# Altium PCB AlpLogo.PcbDoc
Units mm, origin at the board's own origin, x right, y up, seen from the top; angles counter-clockwise.
Board outline 128.88 x 146 mm, 2 copper layers (Top Layer, Bottom Layer), stack 1.571 mm thick; 65 components, 36 nets, 198 pads, 66 vias.
Unrouted connection lines stored in the file: 5.
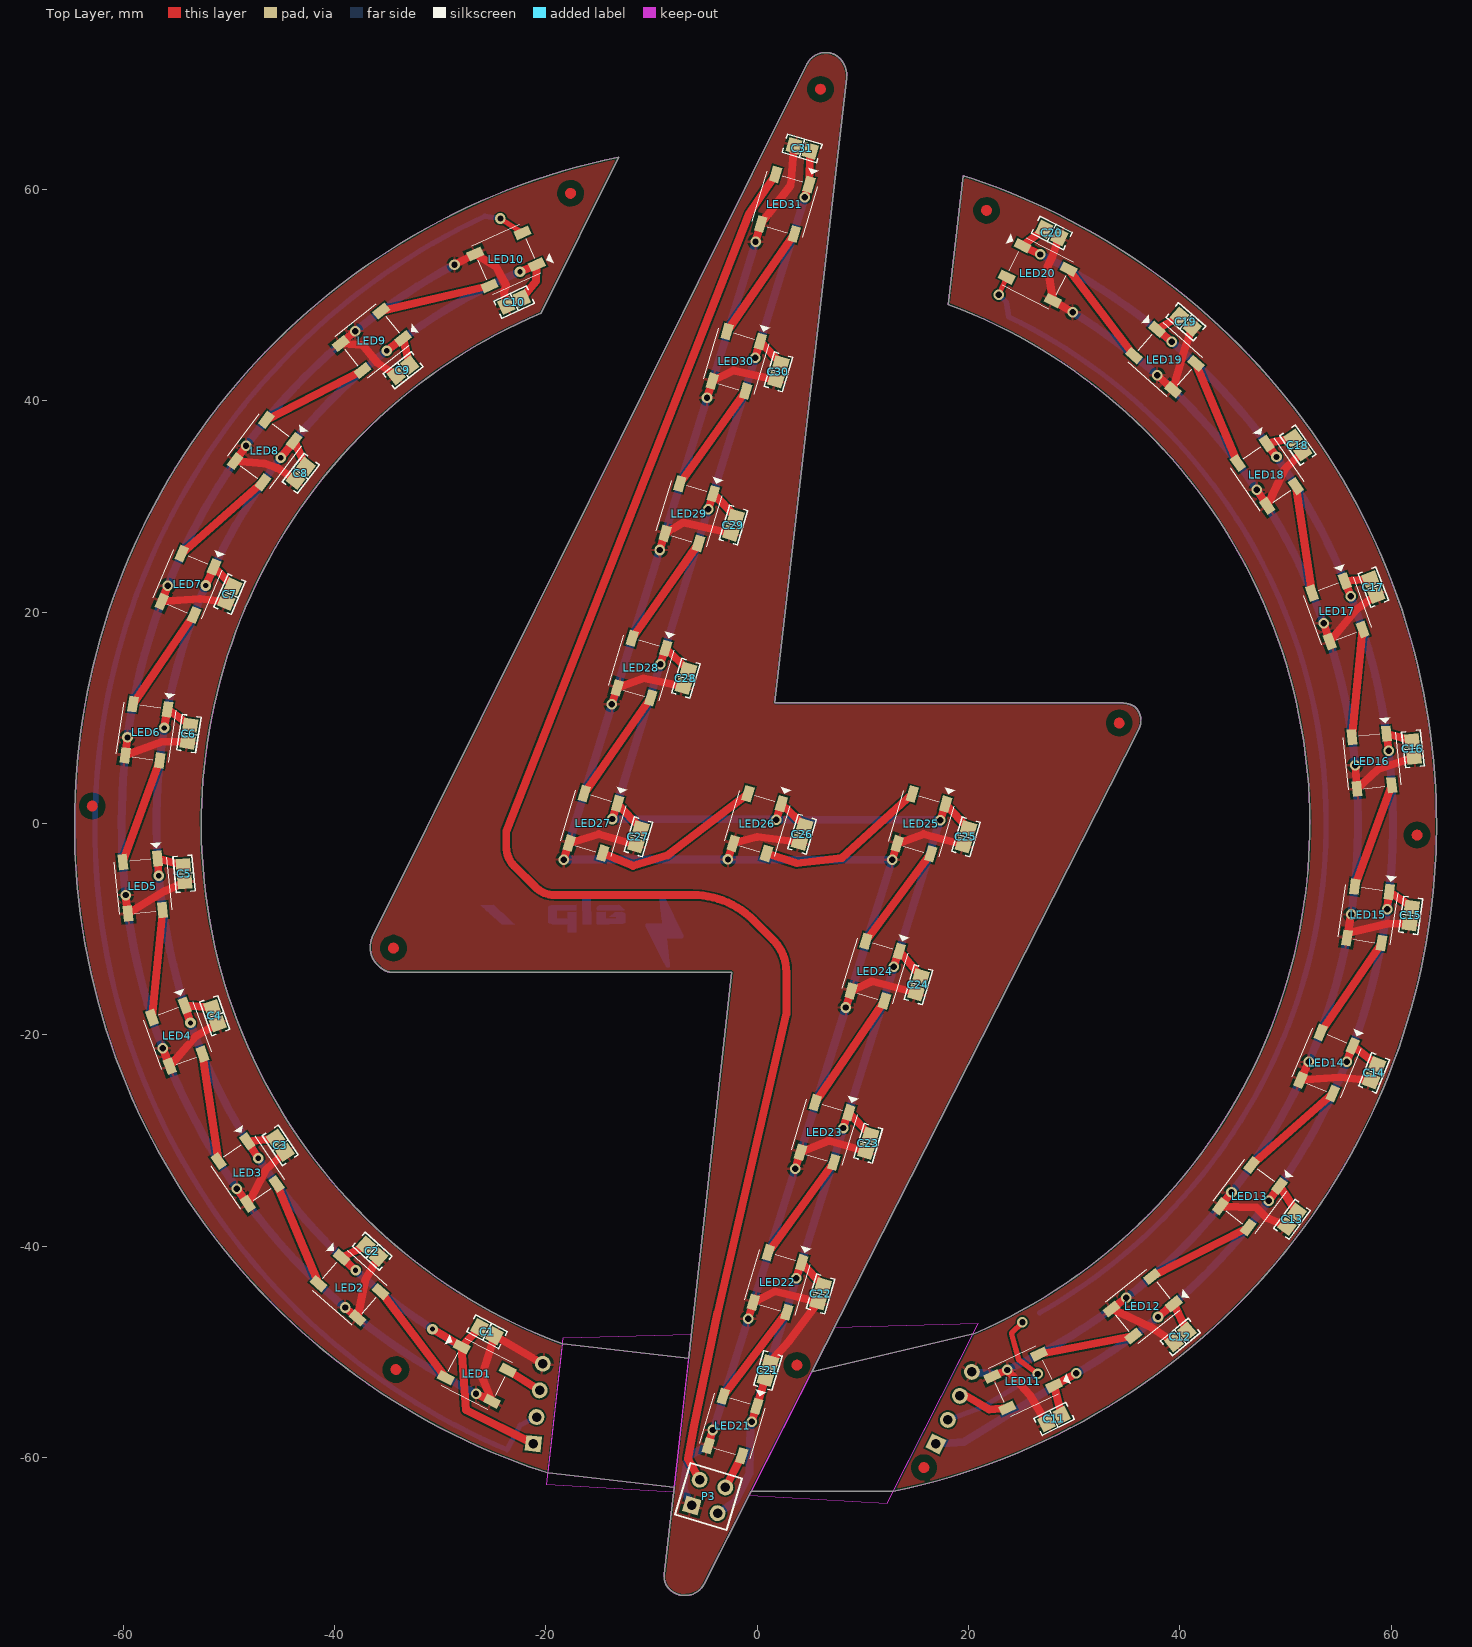
[diagram p0: Top Layer view]
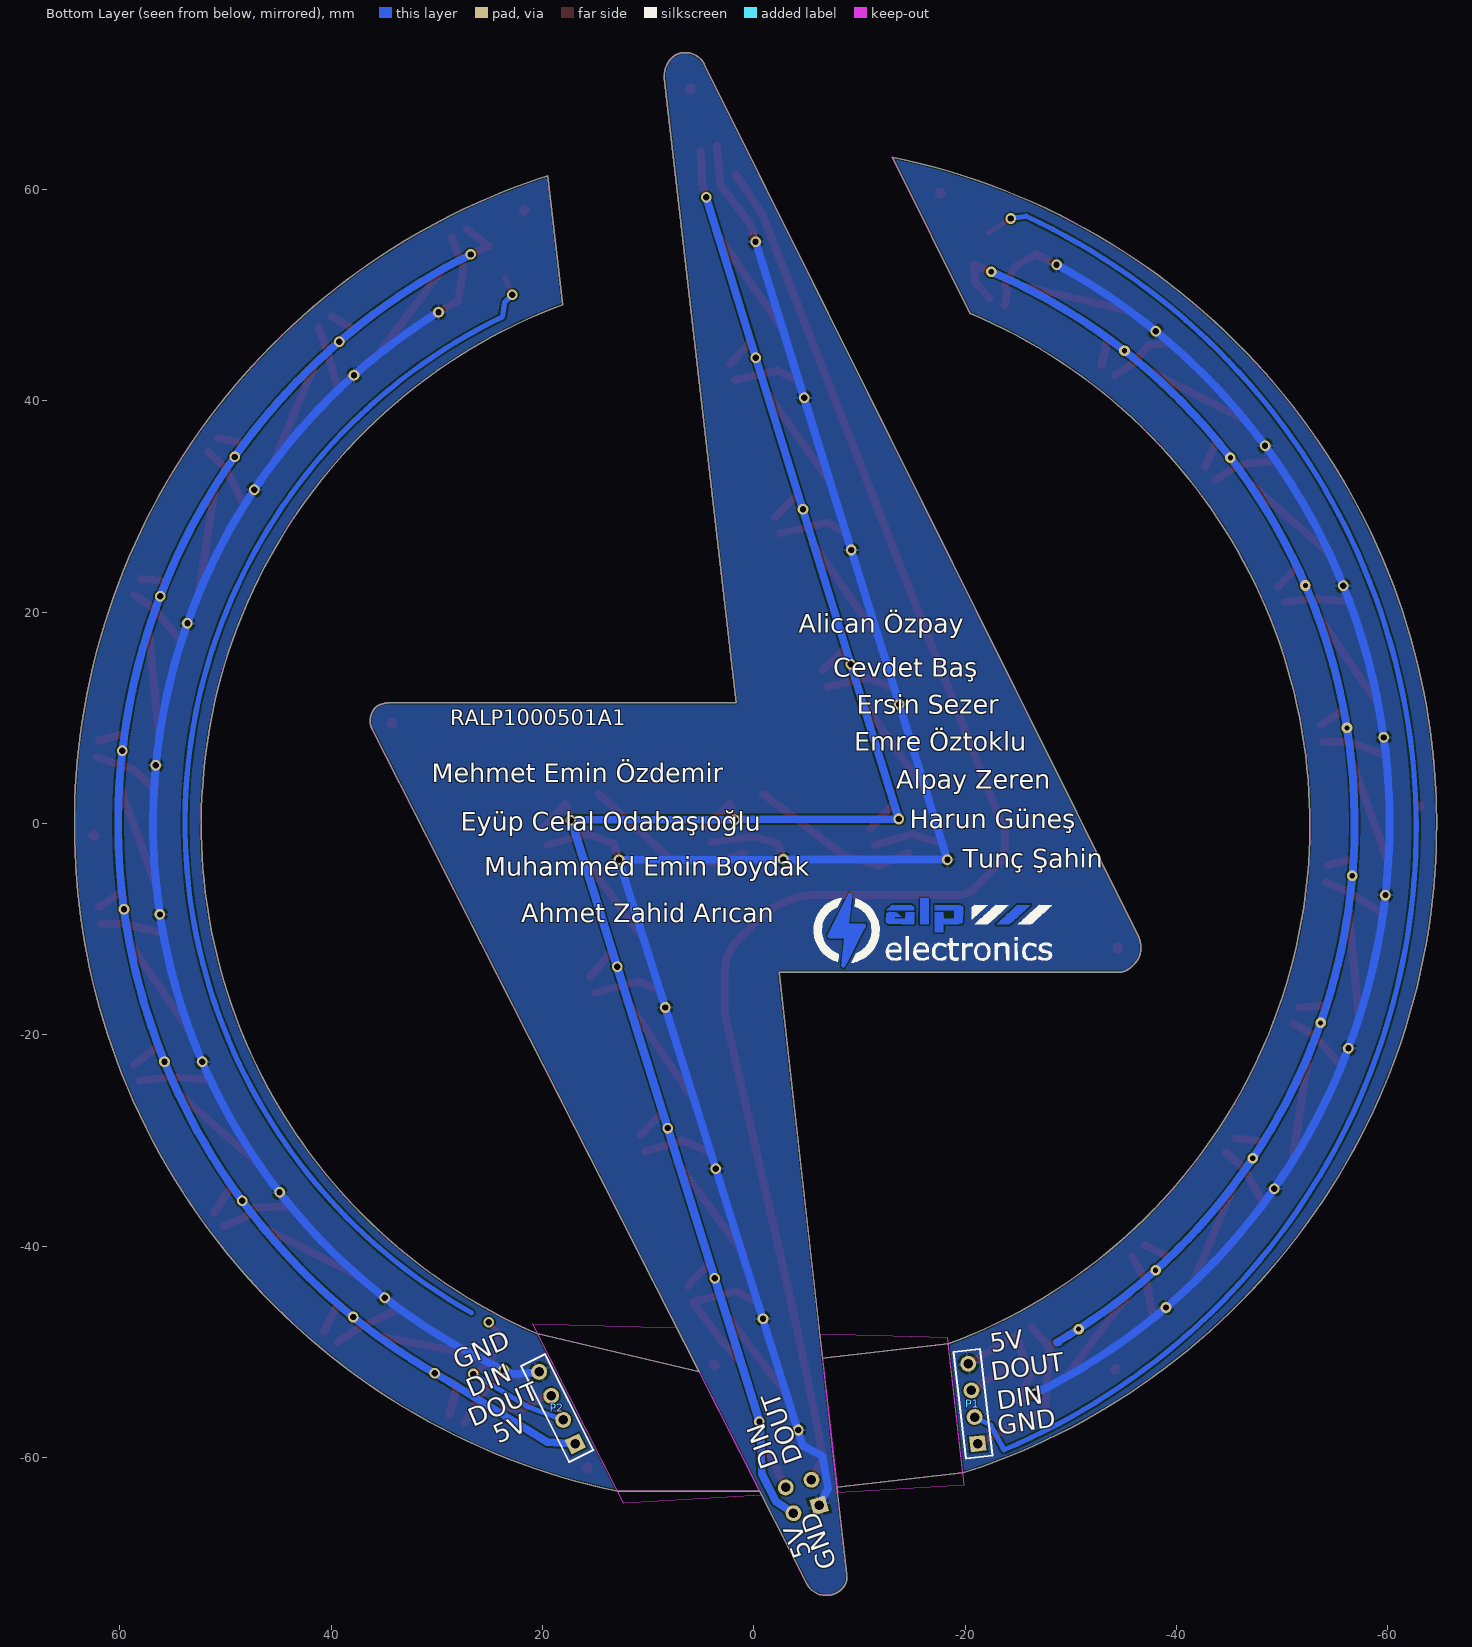
[diagram p1: Bottom Layer view, seen from below]
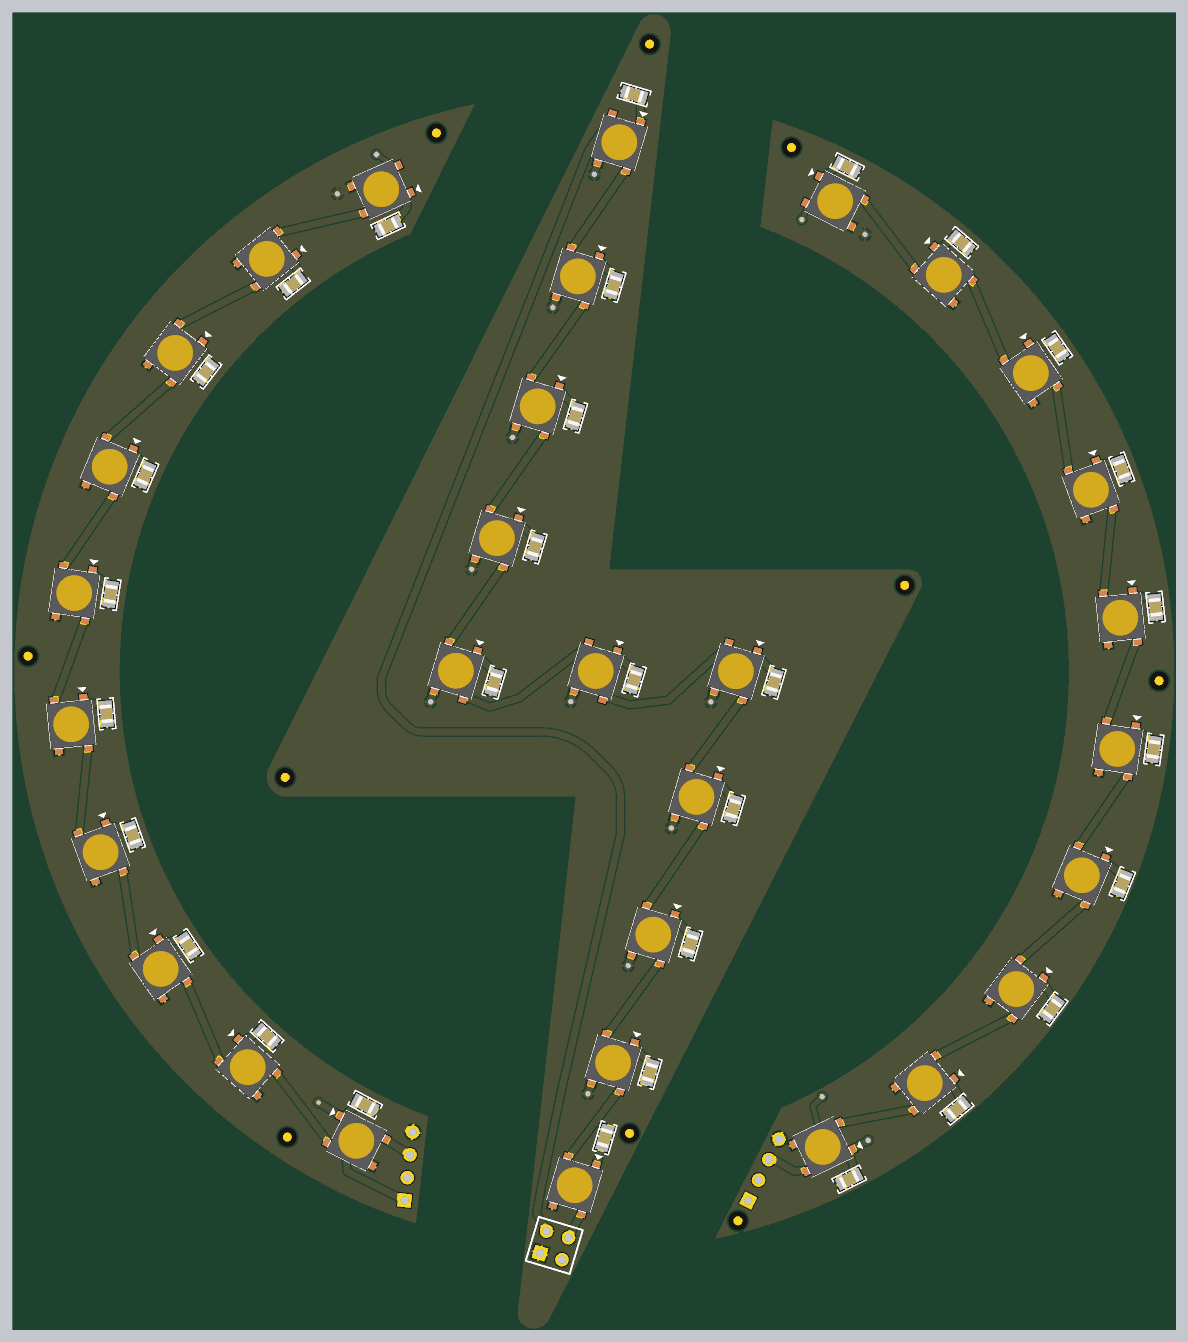
[diagram p2: 3D render of the assembled board from above, using the file's embedded part models]

## Layer stack, top to bottom
Top Solder: solder mask 0.0102, Solder Resist, Dk 3.5
Top Layer: signal copper 0.0356
Dielectric 1: dielectric 1.5, FR-4, Dk 4.8
Bottom Layer: signal copper 0.0356
Bottom Solder: solder mask 0.0102, Solder Resist, Dk 3.5

## Board outline
1140 vertices, not listed, extent -64.603,-73.039 64.28,72.961
cut-out: 7.296,-47.717 -0.759,-63.555 12.299,-64.32 20.934,-47.335
cut-out: -18.353,-48.66 -6.244,-48.321 -7.924,-63.282 -19.917,-62.579

## Design rules (kind name [scope] priority, off if disabled: settings)
Clearance [All] p1: gap=0.152 ignorepadtopadclearanceinfootprint=FALSE
PolygonConnect [All] p1: connectstyle=Relief reliefconductorwidth=0.254 reliefentries=4 polygonreliefangle="90 Angle" airgapwidth=0.254
RoutingVias [All] p1: holewidth=0.6 width=1 viastyle="Through Hole" minholewidth=0.3 minwidth=0.5 maxholewidth=0.711 maxwidth=1.27
SolderMaskExpansion [All] p1: expansion=0.102 istentingtop=FALSE
Width [All] p1: maxlimit=2 minlimit=0.152 preferedwidth=0.3
30 further rules are at their usual default settings.

## Components (designator, comment, footprint, x,y, rotation, side; value= is the part's Value field where it differs from the comment)
C1 "0.1µF" "CAP 0805_2012" -25.561,-48.074 r152 top
C2 "0.1µF" "CAP 0805_2012" -36.432,-40.462 r138 top
C3 "0.1µF" "CAP 0805_2012" -45.139,-30.446 r124 top
C4 "0.1µF" "CAP 0805_2012" -51.324,-18.175 r109.5 top
C5 "0.1µF" "CAP 0805_2012" -54.24,-4.745 r95 top
C6 "0.1µF" "CAP 0805_2012" -53.777,8.517 r81 top
C7 "0.1µF" "CAP 0805_2012" -49.931,21.711 r66.5 top
C8 "0.1µF" "CAP 0805_2012" -43.196,33.145 r52.5 top
C9 "0.1µF" "CAP 0805_2012" -33.521,42.905 r38 top
C10 "0.1µF" "CAP 0805_2012" -23.01,49.346 r25 top
C11 "0.1µF" "CAP 0805_2012" 28.087,-56.333 r26.5 top
C12 "0.1µF" "CAP 0805_2012" 40.039,-48.571 r39.5 top
C13 "0.1µF" "CAP 0805_2012" 50.6,-37.442 r53.5 top
C14 "0.1µF" "CAP 0805_2012" 58.363,-23.58 r68 top
C15 "0.1µF" "CAP 0805_2012" 61.839,-8.691 r82 top
C16 "0.1µF" "CAP 0805_2012" 62.046,7.069 r96.5 top
C17 "0.1µF" "CAP 0805_2012" 58.299,22.379 r111 top
C18 "0.1µF" "CAP 0805_2012" 51.154,35.818 r125 top
C19 "0.1µF" "CAP 0805_2012" 40.556,47.485 r139.5 top
C20 "0.1µF" "CAP 0805_2012" 27.864,55.886 r153.39 top
C21 "0.1µF" "CAP 0805_2012" 1,-51.75 r253.3 top
C22 "0.1µF" "CAP 0805_2012" 6,-44.5 r73.3 top
C23 "0.1µF" "CAP 0805_2012" 10.5,-30.25 r73.3 top
C24 "0.1µF" "CAP 0805_2012" 15.25,-15.25 r73.3 top
C25 "0.1µF" "CAP 0805_2012" 19.75,-1.25 r73.3 top
C26 "0.1µF" "CAP 0805_2012" 4.25,-1 r73.3 top
C27 "0.1µF" "CAP 0805_2012" -11.25,-1.25 r73.3 top
C28 "0.1µF" "CAP 0805_2012" -6.75,13.75 r73.3 top
C29 "0.1µF" "CAP 0805_2012" -2.25,28.25 r73.3 top
C30 "0.1µF" "CAP 0805_2012" 2,42.75 r73.3 top
C31 "0.1µF" "CAP 0805_2012" 4.247,63.892 r343.3 top
LED1 "WS2812B-B" WS2812BB -26.534,-52.077 r333 top
LED2 "WS2812B-B" WS2812BB -38.575,-43.909 r318.7 top
LED3 "WS2812B-B" WS2812BB -48.225,-33.021 r304.33 top
LED4 "WS2812B-B" WS2812BB -54.887,-20.086 r290.1 top
LED5 "WS2812B-B" WS2812BB -58.148,-5.906 r275.8 top
LED6 "WS2812B-B" WS2812BB -57.805,8.639 r261.5 top
LED7 "WS2812B-B" WS2812BB -53.88,22.649 r247.2 top
LED8 "WS2812B-B" WS2812BB -46.616,35.256 r232.9 top
LED9 "WS2812B-B" WS2812BB -36.464,45.678 r218.6 top
LED10 "WS2812B-B" WS2812BB -23.773,53.394 r204 top
LED11 "WS2812B-B" WS2812BB 25.162,-52.753 r205.5 top
LED12 "WS2812B-B" WS2812BB 36.464,-45.678 r218.6 top
LED13 "WS2812B-B" WS2812BB 46.616,-35.256 r232.9 top
LED14 "WS2812B-B" WS2812BB 53.88,-22.649 r247.2 top
LED15 "WS2812B-B" WS2812BB 57.805,-8.639 r261.5 top
LED16 "WS2812B-B" WS2812BB 58.148,5.906 r275.8 top
LED17 "WS2812B-B" WS2812BB 54.887,20.086 r290.1 top
LED18 "WS2812B-B" WS2812BB 48.225,33.021 r304.4 top
LED19 "WS2812B-B" WS2812BB 38.575,43.909 r318.7 top
LED20 "WS2812B-B" WS2812BB 26.534,52.077 r333 top
LED21 "WS2812B-B" WS2812BB -2.34,-56.999 r253.3 top
LED22 "WS2812B-B" WS2812BB 1.921,-43.415 r253.3 top
LED23 "WS2812B-B" WS2812BB 6.375,-29.22 r253.3 top
LED24 "WS2812B-B" WS2812BB 11.163,-13.957 r253.3 top
LED25 "WS2812B-B" WS2812BB 15.534,-0.025 r253.3 top
LED26 "WS2812B-B" WS2812BB 0,0 r253.3 top
LED27 "WS2812B-B" WS2812BB -15.499,0.025 r253.3 top
LED28 "WS2812B-B" WS2812BB -10.954,14.724 r253.3 top
LED29 "WS2812B-B" WS2812BB -6.438,29.331 r253.3 top
LED30 "WS2812B-B" WS2812BB -1.983,43.74 r253.3 top
LED31 "WS2812B-B" WS2812BB 2.612,58.605 r253.3 top
P1 "Header 4" HDR1X4 -21.187,-58.676 r83.22 bottom
P2 "Header 4" HDR1X4 16.9,-58.694 r63.38 bottom
P3 "Header 2X2" HDR2X2 -6.183,-64.52 r343.3 top

## Footprints (in the part's own frame and the unit in brackets; to place one, negate y for a bottom-side part, rotate by r counter-clockwise, add the part's x,y. Pads: shape width x height; smd on the part's side, far side on the other; paste and mask are expansions set on the pad)
"CAP 0805_2012" [mm] "Chip Capacitor, 2-Leads, Body 2.00x1.20mm, IPC Medium Density"
  rect 1.3x1.4 smd: 1(-0.8,0) 2(0.8,0)
  silkscreen extent -1.7,-0.9 1.7,0.9, body extent -1,-0.64 1,0.64, height 1.26
HDR1X4 [mm] "Connector; Header; 4 Position"
  rect 1.5x1.5 hole 0.9: 1(0,0)
  round 1.5 hole 0.9: 2(2.54,0) 3(5.08,0) 4(7.62,0)
  silkscreen extent -1.27,-1.27 8.89,1.27
HDR2X2 [mm] "Connector; Header; 2x2 Position"
  rect 1.5x1.5 hole 0.9: 1(0,0)
  round 1.5 hole 0.9: 2(0,2.54) 3(2.54,0) 4(2.54,2.54)
  silkscreen extent -1.27,-1.27 3.81,3.81
WS2812BB [mm]
  rect 1.5x0.9 smd: 1(-2.45,1.65) 2(-2.45,-1.65) 3(2.45,-1.65) 4(2.45,1.65)
  silkscreen extent -3.96,-2.5 2.5,2.5, body extent -3.2,-2.5 3.2,2.5, height 2.65

## Part data
C1 C2 C3 C4 C5 C6 C7 C8 C9 C10 C11 C12 C13 C14 C15 C16 C17 C18 C19 C20 C21 C22 C23 C24 C25 C26 C27 C28 C29 C30 C31: library part CC0805MRX7R9BB104, "CAP CER 0.1UF 50V X7R 0805", Device Package="0805 (2012 Metric)", Manufacturer=Yageo, Operating Temperature="-55°C ~ 125°C", Supplier Part Number 1=311-4351-1-ND, Temperature Coefficient=X7R, Tolerance=±20%, Voltage - Rated=50V, Applications="General Purpose", Capacitance=0.1µF, ComponentLink1Description=Datasheet, ComponentLink1URL=https://www.yageo.com/upload/media/product/productsearch/datasheet/mlcc/UPY-GPHC_X7R_6.3V-to-50V_18.pdf, ComponentLink2Description="DigiKey Link", ComponentLink2URL=http://digikey.com/product-detail/en/yageo/CC0805MRX7R9BB104/311-4351-1-ND/8025440, LastUpdated="2020-09-02 01:04:42", Lifecycle Status=Active, Minimum Order=1, Mounting Type="Surface Mount, MLCC", Package / Case="0805 (2012 Metric)", Packaging=TapeAndReel, Part Number=CC0805MRX7R9BB104, Part Status=Active, PartId=2475, Price=0.02, Series=CC, Size / Dimension="0.079\" L x 0.049\" W (2.00mm x 1.25mm)", Supplier 1=DigiKey, Thickness (Max)="0.037\" (0.95mm)"
LED1 LED2 LED3 LED4 LED5 LED6 LED7 LED8 LED9 LED10 LED11 LED12 LED13 LED14 LED15 LED16 LED17 LED18 LED19 LED20 LED21 LED22 LED23 LED24 LED25 LED26 LED27 LED28 LED29 LED30 LED31: "LED", Manufacturer_Name=Worldsemi, Datasheet Link=http://www.world-semi.com/DownLoadFile/111, Height=1.62mm, Manufacturer_Part_Number=WS2812B-B
P1 P2: "Header, 4-Pin", LatestRevisionDate=17-Jul-2002, LatestRevisionNote="Re-released for DXP Platform.", Publisher="Altium Limited"
P3: "Header, 2-Pin, Dual row", LatestRevisionDate=17-Jul-2002, LatestRevisionNote="Re-released for DXP Platform.", Publisher="Altium Limited"

## Via types
v1: diameter 1, hole 0.6, Top Layer to Bottom Layer, tented both sides, 56 vias
v2: diameter 1, hole 0.5, Top Layer to Bottom Layer, tented both sides, 10 vias

## Nets (pads, with @x,y where several pads share a name; then routed paths per layer and width w, separated by ;. In a path a pad name is that pad's centre, name@x,y a point inside that pad or via, vN(x,y) a via of type N, cw(c..) or ccw(c..) an arc to the next point about the centre after c; other vN are vias at no path point)
DOUT1: LED10.2 P1.2 | length 155.6
  Top Layer w0.5: v1(-24.302,57.253) LED10.2
  Bottom Layer w0.5: v1(-24.302,57.253) -25.786,57.46 ccw(c1.191,-0.427) -23.673,-59.254 -22.429,-56.939 P1.2
DOUT2: LED20.2 P2.2 | length 136
  Top Layer w0.5: v1(22.846,50.028) LED20.2 ; v1(25.092,-47.191) 24.071,-48.212 24.071,-48.279 24.745,-50.734 v1(26.534,-52.077)
  Bottom Layer w0.5: P2.2 21.464,-55.15 v1(26.534,-52.077) ; v1(22.846,50.028) 23.56,49.352 23.792,47.947 cw(c0.642,0.065) 26.723,-46.286
DOUT3: LED30.2 LED31.4 | length 11.2
  Top Layer w0.75: LED30.2 LED31.4
DOUT4: LED31.2 P3.2 | length 150.4
  Top Layer w0.75: P3.2 -6.556,-60.119 -5.992,-56.99 -3.75,-46.25 2.75,-18 2.75,-14.018 ccw(c-1.518,-14.018) 1.5,-11 -0.369,-9.131 ccw(c-6.117,-14.878) -6.117,-6.75 -19.198,-6.75 cw(c-19.198,-4.21) -20.994,-6.006 -23.006,-3.994 cw(c-21.21,-2.198) -23.75,-2.198 -23.75,-0.75 -0.75,57.75 LED31.2
GND: C1.1 C2.1 C3.1 C4.1 C5.1 C6.1 C7.1 C8.1 C9.1 C10.1 C11.1 C12.1 C13.1 C14.1 C15.1 C16.1 C17.1 C18.1 C19.1 C20.1 C21.1 C22.1 C23.1 C24.1 C25.1 C26.1 C27.1 C28.1 C29.1 C30.1 C31.1 LED1.3 LED2.3 LED3.3 LED4.3 LED5.3 LED6.3 LED7.3 LED8.3 LED9.3 LED10.3 LED11.3 LED12.3 LED13.3 LED14.3 LED15.3 LED16.3 LED17.3 LED18.3 LED19.3 LED20.3 LED21.3 LED22.3 LED23.3 LED24.3 LED25.3 LED26.3 LED27.3 LED28.3 LED29.3 LED30.3 LED31.3 P1.4 P2.4 P3.1 | length 676.1
  Top Layer w0.75: v1(-59.766,-6.763) LED5.3 -56.084,-6.39 C5.1 ; v1(-59.592,8.149) LED6.3 -56.319,7.747 C6.1 ; v1(-56.263,-21.263) LED4.3 -53.159,-20.149 C4.1 ; v1(-55.779,22.504) LED7.3 -52.72,21.271 C7.1 ; v1(-49.237,-34.545) LED3.3 -46.484,-32.729 C3.1 ; v1(-48.371,35.747) LED8.3 -46.671,34.078 -45.477,33.663 ccw(c-45.095,34.617) -45.385,33.632 C8.1 ; v1(-38.999,-45.79) LED2.3 -37.057,-43.113 C2.1 ; v1(-38.03,46.598) LED9.3 -37.336,45.292 -35.905,43.556 C9.1 ; v1(-28.645,52.888) LED10.3 -24.657,52.635 -23.75,50.932 -23.978,50.271 C10.1 ; v1(-26.607,-53.942) LED1.3 -26.079,-52.306 C1.1 P1.4 ; v1(-18.317,-3.408) LED27.3@-17.827,-1.886 ; LED27.3 -15,-1 C27.1 ; v1(-13.758,11.287) LED28.3@-13.268,12.808 ; LED28.3 -10.75,13.75 C28.1 ; v1(-9.228,25.889) LED29.3@-8.737,27.411 ; LED29.3 -7,28.5 C29.1 ; v1(-4.758,40.294) LED30.3@-4.268,41.815 ; LED21.3@-4.689,-58.905 v1(-4.198,-57.383) ; LED30.3 -2.252,42.871 C30.1 ; v1(-2.775,-3.394) LED26.3 0,-1.25 C26.1 ; v1(-0.864,-46.858) LED22.3@-0.374,-45.336 ; LED22.3 1.655,-44.264 C22.1 3,-49 C21.1 ; v1(-0.162,55.052) LED31.3 3.167,60.399 C31.1 ; v1(3.593,-32.665) LED23.3@4.083,-31.143 ; LED23.3 6.75,-30 C23.1 ; v1(8.386,-17.403) LED24.3@8.876,-15.881 ; LED24.3 10.86,-14.924 C24.1 ; v1(12.759,-3.419) LED25.3 15.75,-1 C25.1 ; LED11.3 v1(23.652,-51.696) 25.808,-54.107 C11.1 ; C20.1 27.911,53.617 27.45,52.73 LED20.3 v1(29.84,48.389) ; v1(34.922,-44.859) LED12.3 37.215,-47.633 C12.1 ; v1(37.837,42.429) LED19.3 40.447,44.921 C19.1 ; v1(44.877,-34.899) LED13.3 47.231,-36.346 48.199,-37.308 C13.1 ; v1(47.271,31.582) LED18.3 49.916,33.556 C18.1 ; v1(52.186,-22.551) LED14.3 55.15,-24.002 C14.1 ; v1(53.594,18.963) LED17.3 56.647,20.218 C17.1 ; v1(56.196,-8.599) 55.89,-10.36 59.703,-9.456 C15.1 ; v1(56.582,5.514) LED16.3 58.723,5.138 C16.1
  Bottom Layer w0.75: v1(-26.607,-53.942) cw(c0,0) -29.903,52.187 ; v1(-18.317,-3.408) -2.775,-3.414 v1(12.759,-3.419) ; v1@-18.25,-3.25 -13.741,11.282 -9.211,25.884 -4.742,40.288 v1(-0.162,55.052) ; P3.1 -7.034,-62.939 -6.506,-59.843 -4.625,-58.872 -4.161,-57.395 -0.853,-46.861 3.604,-32.668 8.397,-17.406 v1@12.787,-3.428 ; P2.4 22.769,-52.091 ccw(c0,0) v1(29.84,48.389) ; -29.903,52.187 cw(c0,0) v1(-28.645,52.888) -29.903,52.187
NetLED1_2: LED1.2 LED2.4 | length 10.2
  Top Layer w0.75: LED2.4 LED1.2
NetLED1_4: LED1.4 P1.3 | length 3.6
  Top Layer w0.75: LED1.4 P1.3
NetLED2_2: LED2.2 LED3.4 | length 10.2
  Top Layer w0.75: LED3.4 LED2.2
NetLED3_2: LED3.2 LED4.4 | length 10.2
  Top Layer w0.75: LED4.4 LED3.2
NetLED4_2: LED4.2 LED5.4 | length 10.2
  Top Layer w0.75: LED4.2 LED5.4
NetLED5_2: LED5.2 LED6.4 | length 10.2
  Top Layer w0.75: LED5.2 LED6.4
NetLED6_2: LED6.2 LED7.4 | length 10.2
  Top Layer w0.75: LED6.2 LED7.4
NetLED7_2: LED7.2 LED8.4 | length 10.2
  Top Layer w0.75: LED7.2 LED8.4
NetLED8_2: LED8.2 LED9.4 | length 10.2
  Top Layer w0.75: LED8.2 LED9.4
NetLED9_2: LED9.2 LED10.4 | length 10.5
  Top Layer w0.75: LED9.2 LED10.4
NetLED11_2: LED11.2 LED12.4 | length 9.1
  Top Layer w0.75: LED11.2 LED12.4
NetLED11_4: LED11.4 P2.3 | length 4.9
  Top Layer w0.75: P2.3 19.613,-54.042 21.954,-55.443 LED11.4
NetLED12_2: LED12.2 LED13.4 | length 10.2
  Top Layer w0.75: LED12.2 LED13.4
NetLED13_2: LED13.2 LED14.4 | length 10.2
  Top Layer w0.75: LED13.2 LED14.4
NetLED14_2: LED14.2 LED15.4 | length 10.2
  Top Layer w0.75: LED14.2 LED15.4
NetLED15_2: LED15.2 LED16.4 | length 10.2
  Top Layer w0.75: LED15.2 LED16.4
NetLED16_2: LED16.2 LED17.4 | length 10.2
  Top Layer w0.75: LED16.2 LED17.4
NetLED17_2: LED17.2 LED18.4 | length 10.2
  Top Layer w0.75: LED18.4 LED17.2
NetLED18_2: LED18.2 LED19.4 | length 10.2
  Top Layer w0.75: LED19.4 LED18.2
NetLED19_2: LED19.2 LED20.4 | length 10.2
  Top Layer w0.75: LED20.4 LED19.2
NetLED21_2: LED21.2 LED22.4 | length 10
  Top Layer w0.75: LED21.2 LED22.4
NetLED21_4: LED21.4 P3.4 | length 3.4
  Top Layer w0.75: P3.4 LED21.4
NetLED22_2: LED22.2 LED23.4 | length 10.6
  Top Layer w0.75: LED22.2 LED23.4
NetLED23_2: LED23.2 LED24.4 | length 11.6
  Top Layer w0.75: LED23.2 LED24.4
NetLED24_2: LED24.2 LED25.4 | length 10.3
  Top Layer w0.75: LED24.2 LED25.4
NetLED25_2: LED25.2 LED26.4 | length 16.3
  Top Layer w0.75: LED26.4 3.75,-3.75 8,-3.25 LED25.2
NetLED26_2: LED26.2 LED27.4 | length 16.1
  Top Layer w0.75: LED27.4 -11.75,-4 -8.5,-3 LED26.2
NetLED27_2: LED27.2 LED28.4 | length 11
  Top Layer w0.75: LED27.2 LED28.4
NetLED28_2: LED28.2 LED29.4 | length 10.9
  Top Layer w0.75: LED28.2 LED29.4
NetLED29_2: LED29.2 LED30.4 | length 10.7
  Top Layer w0.75: LED29.2 LED30.4
VCC: C1.2 C2.2 C3.2 C4.2 C5.2 C6.2 C7.2 C8.2 C9.2 C10.2 C11.2 C12.2 C13.2 C14.2 C15.2 C16.2 C17.2 C18.2 C19.2 C20.2 C21.2 C22.2 C23.2 C24.2 C25.2 C26.2 C27.2 C28.2 C29.2 C30.2 C31.2 LED1.1 LED2.1 LED3.1 LED4.1 LED5.1 LED6.1 LED7.1 LED8.1 LED9.1 LED10.1 LED11.1 LED12.1 LED13.1 LED14.1 LED15.1 LED16.1 LED17.1 LED18.1 LED19.1 LED20.1 LED21.1 LED22.1 LED23.1 LED24.1 LED25.1 LED26.1 LED27.1 LED28.1 LED29.1 LED30.1 LED31.1 P1.1 P2.1 P3.3 | length 587.5
  Top Layer w0.75: v2(-56.636,-4.927) LED5.1 C5.2 ; v2(-56.125,9.051) LED6.1 C6.2 ; v2(-53.629,-18.865) LED4.1 C4.2 ; v2(-52.196,22.528) LED7.1 C7.2 ; v2(-47.206,-31.678) LED3.1 C3.2 ; v2(-45.095,34.617) LED8.1 C8.2 ; v2(-38.01,-42.275) LED2.1 C2.2 ; v2(-35.071,44.743) LED9.1 C9.2 ; v2(-30.727,-47.831) LED1.1 ; C1.2 LED1.1 ; v2(-22.452,52.229) LED10.1 -20.931,51.317 C10.2 ; P1.1 -27.563,-55.481 -27.791,-52.268 LED1.1 ; v1(-13.713,0.431) -13.238,1.906 LED27.1@-13.223,1.953 ; LED27.1 C27.2 ; v1(-9.16,15.075) LED28.1 C28.2 ; v1(-4.649,29.736) -4.174,31.21 LED29.1@-4.159,31.257 ; LED29.1 C29.2 ; v1(-0.531,-56.6) LED21.1@-0.041,-55.079 ; v1(-0.189,44.091) LED30.1 C30.2 ; LED21.1 C21.2 ; v1(1.794,0.351) LED26.1 C26.2 ; v1(3.695,-43.006) LED22.1@4.185,-41.484 ; LED22.1 C22.2 ; v1(4.5,59.25) LED31.1 C31.2 ; v1(8.14,-28.808) LED23.1@8.63,-27.287 ; LED23.1 C23.2 ; v1(12.919,-13.542) LED24.1@13.409,-12.021 ; LED24.1 C24.2 ; v1(17.328,0.326) LED25.1 C25.2 ; v1(26.78,53.856) LED20.1 C20.2 ; C11.2 LED11.1 v1(30.187,-52.023) ; v1(37.918,-46.689) LED12.1 C12.2 ; v1(39.236,45.587) LED19.1 C19.2 ; v1(48.405,-35.702) LED13.1 C13.2 ; v1(49.132,34.695) LED18.1 C18.2 ; v1(55.766,-22.534) LED14.1 C14.2 ; v1(56.168,21.513) LED17.1 C17.2 ; v1(59.597,-8.112) LED15.1 C15.2 ; v1(59.751,6.891) LED16.1 C16.2
  Bottom Layer w0.75: -28.854,-49.057 -28.683,-49.083 cw(c0,0) v2(-22.452,52.229) ; v1(-13.713,0.431) v1@-13.694,0.431 ; v1@-13.696,0.426 v1@-13.694,0.431 ; P3.3 -2.091,-64.14 -0.75,-61.5 -0.628,-56.862 v1@17.25,0.25 ; v1(4.5,59.25) v1(-0.189,44.091) -4.631,29.73 -9.164,15.077 v1@-13.694,0.431 ; P2.1 19.547,-58.514 28.952,-52.72 ccw(c0,0) v1(26.78,53.856) ; v1(17.328,0.326) 1.794,0.378 v1@-13.694,0.431

## Polygon pours and split planes (outlines as drawn)
GND on Bottom Layer "GND_L02_P000" (solid, remove dead copper, pour order 0): -62.25,69.75 35.75,77.75 64.5,47.75 69,-45.5 28.5,-76.25 -28.25,-77.25 -67,-54 -70,62.75
GND on Top Layer "GND_L01_P001" (solid, remove dead copper, pour order 1): -62.25,69.75 35.75,77.75 64.5,47.75 69,-45.5 28.5,-76.25 -28.25,-77.25 -67,-54 -70,62.75
